# Altium PCB х__логия_v25.PcbDoc (part 3 of 3) (continued)
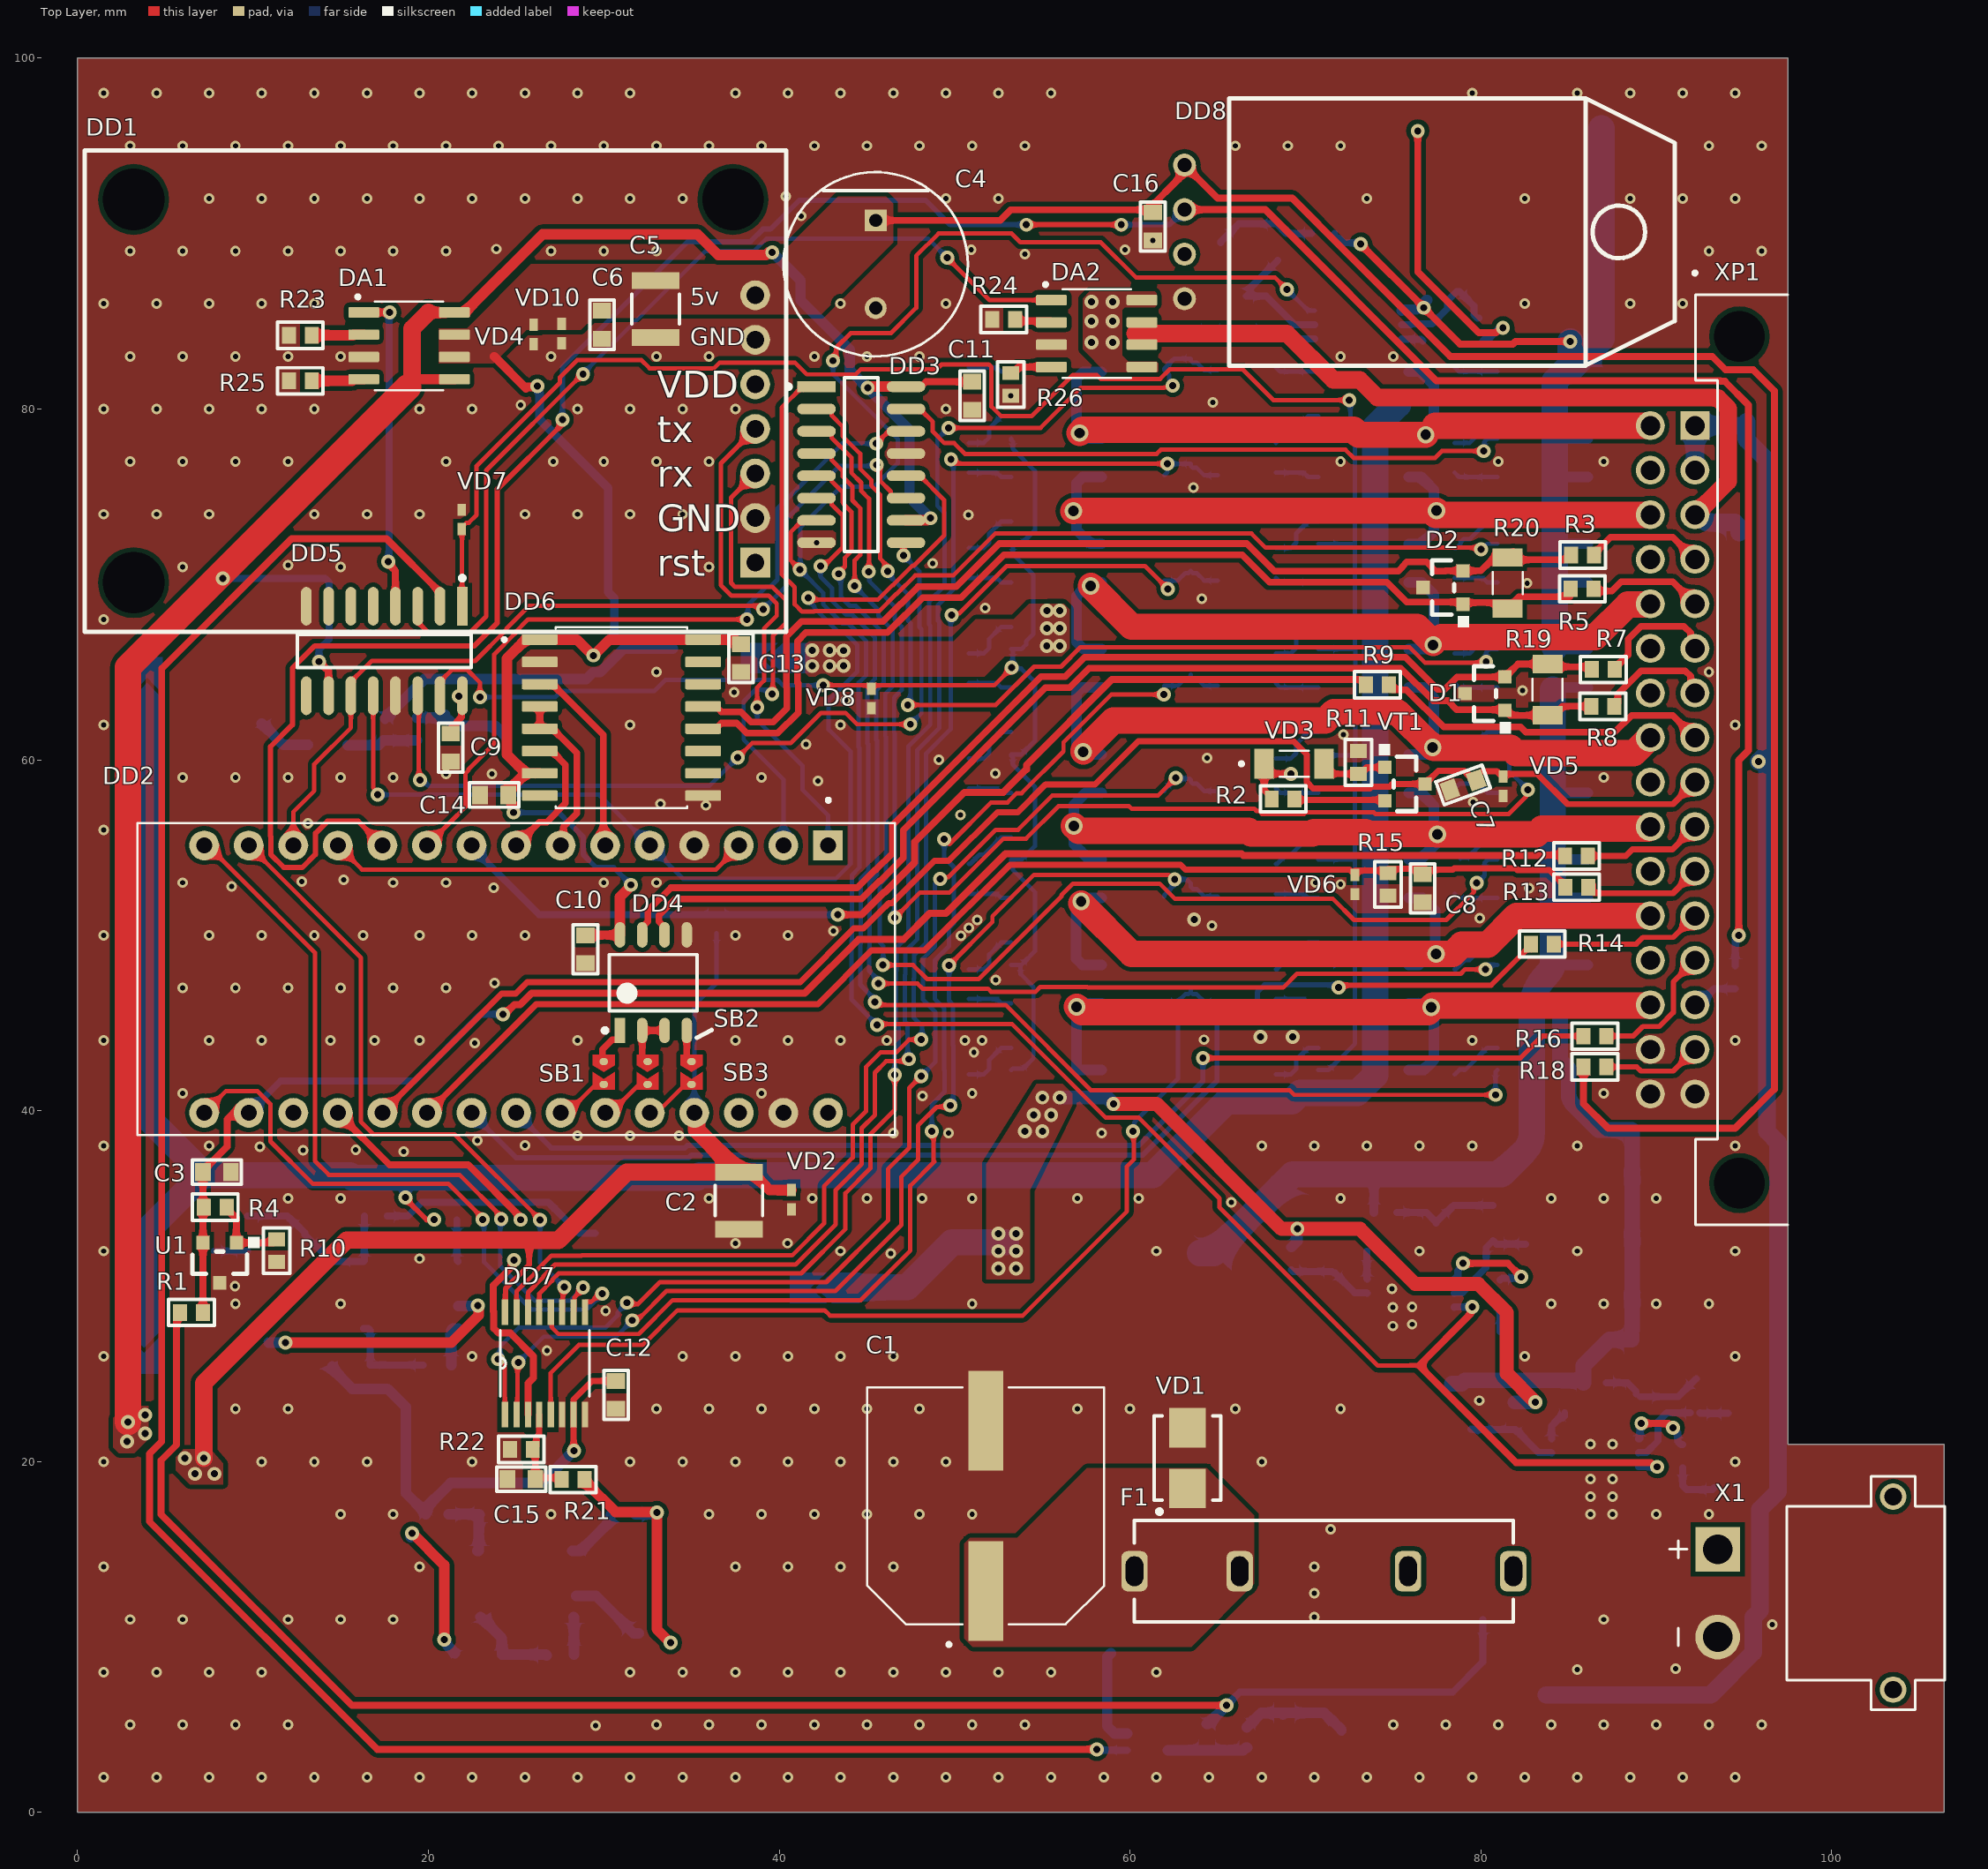
[diagram p0: Top Layer view]
## Nets (pads, with @x,y where several pads share a name; then routed paths per layer and width w, separated by ;. In a path a pad name is that pad's centre, name@x,y a point inside that pad or via, vN(x,y) a via of type N, cw(c..) or ccw(c..) an arc to the next point about the centre after c; other vN are vias at no path point) (continued)
panel_5: DA4_5.5 DA4_5.8 DA5_5.5 DA5_5.8 DA6_5.6 DA6_5.7 XP1.B9 XP1.B10 | length 45.3
  Top Layer w1.5: v3(56.803,56.228) 57.077,55.954 66.749,55.954 66.911,55.792 70.4,55.792 70.485,55.877 73.423,55.877 73.519,55.781 77.444,55.781 77.465,55.76 v3(77.525,55.76) 83.16,55.76 83.483,56.083 89.512,56.083 89.619,56.19 XP1.B10@89.66,56.19
  Bottom Layer w0.6: DA5_5.8@58.391,54.314 57.679,54.314 56.803,55.19 56.803,57.453 57.474,58.124 DA5_5.5@58.391,58.124 ; DA4_5.8@75.891,54.314 76.541,54.314 77.525,55.298 77.525,56.222 77.328,56.419 77.328,57.372 76.576,58.124 DA4_5.5@75.891,58.124
panel_6: DA4_6.5 DA4_6.8 DA5_6.5 DA5_6.8 DA6_6.6 DA6_6.7 XP1.B11 XP1.B12 | length 47
  Top Layer w1.5: v3@57.211,51.817 60.091,48.937 78.386,48.937 78.907,49.458 80.383,49.458 82.035,51.11 XP1.B12@89.66,51.11
  Bottom Layer w0.6: DA5_6.8@58.391,48.314 57.276,48.314 56.925,48.665 56.925,51.531 57.211,51.817 57.211,52.124 DA5_6.5@58.391,52.124 ; DA4_6.8@75.891,48.314 76.471,48.314 76.887,48.73 76.957,48.73 77.163,48.937 v3(77.446,48.937) 77.4,48.983 77.4,51.4 76.676,52.124 DA4_6.5@75.891,52.124
  other v3: 57.211,51.925
panel_7: DA4_7.5 DA4_7.8 DA5_7.5 DA5_7.8 DA6_7.6 DA6_7.7 XP1.B13 XP1.B14 | length 45.1
  Top Layer w1.5: v3(56.957,45.929) 57.262,45.625 76.999,45.625 v3@77.17,45.796 ; v3(77.17,45.9) 77.27,46 89.524,46 89.525,46.001 89.631,46.001 XP1.B14@89.66,46.03
  Bottom Layer w0.6: DA5_7.8@58.391,42.314 57.151,42.314 56.957,42.508 v3(56.957,45.929) 57.151,46.124 DA5_7.5@58.391,46.124 ; DA4_7.8@75.891,42.314 76.749,42.314 77.325,42.89 v3@77.325,45.548 ; DA4_7.5@75.891,46.124 v3@77.3,46.124
reset: DD2.3 DD2.12 | length 24
  Top Layer w0.25: DD2.12@14.84,55.12 16.21,53.75 36.4,53.75 37.7,55.05 DD2.3@37.7,55.12
RS485_1_N: D2.2 DD6.13 R3.1 R20.1 | length 57.8
  Top Layer w0.381: DD6.13@35.66,63.045 36.385,63.045 36.703,62.727 37.828,62.727 38.4,62.155 39.656,62.155 40.446,62.946 40.446,64.1 40.405,64.14 40.405,67.028 41.262,67.885 45.91,67.885 46.926,68.901 46.945,68.901 47.919,69.875 50.097,69.875 52.551,72.329 66.653,72.329 68.217,70.765 75.29,70.765 75.513,70.988 75.513,71.013 75.774,71.273 76.904,71.273 77.412,70.765 77.99,70.765 77.999,70.774 80.005,70.774 80.756,71.525 81.515,71.525 R20.1@81.525,71.535 ; R20.1@81.835,71.885 82.32,71.4 R3.1@85.125,71.4
RS485_1_P: D2.1 DD6.12 R5.1 R20.2 | length 57.6
  Top Layer w0.381: DD6.12@35.66,61.775 36.385,61.775 36.703,62.092 37.565,62.092 38.137,61.52 39.919,61.52 41.081,62.683 41.081,64.363 41.04,64.404 41.04,66.765 41.525,67.25 46.173,67.25 47.189,68.266 47.208,68.266 48.182,69.24 50.36,69.24 52.814,71.694 66.39,71.694 67.954,70.13 74.645,70.13 75.779,68.996 77.265,68.996 78.859,68.996 D2.1@78.986,68.869 ; D2.1@79.155,68.965 81.835,68.965 82.17,69.3 R5.1@85.075,69.3
RS485_1r_N: R3.2 XP1.A4 | length 6.7
  Top Layer w0.381: R3.2@86.45,71.675 86.45,71.75 87.4,72.699 90.93,72.699 XP1.A4@92.2,71.43
RS485_1r_P: R5.2 XP1.A5 | length 6.5
  Top Layer w0.381: R5.2@86.425,69.625 87.456,69.625 87.991,70.16 90.929,70.16 XP1.A5@92.2,68.89
RS485_2_N: D1.2 DD4.7 R7.1 R19.2 | length 63.7
  Top Layer w0.381: DD4.7@32.19,50.025 32.19,50.465 32.507,50.783 32.507,51.406 33.812,52.71 44.429,52.71 45.456,53.737 45.503,53.737 46.437,54.672 46.437,56.262 54.919,64.744 56.299,64.744 57.41,65.854 75.693,65.854 77.538,64.01 77.931,64.01 78.651,64.73 D1.2@81.375,64.73 82.105,65.46 R19.2@83.8,65.46 83.955,65.305 86.17,65.305 R7.1@86.325,65.15
RS485_2_P: D1.1 DD4.6 R8.1 R19.1 | length 62.5
  Top Layer w0.381: DD4.6@33.46,50.025 33.46,50.465 33.142,50.783 33.142,51.143 34.075,52.075 44.692,52.075 45.719,53.102 45.766,53.102 47.072,54.409 47.072,55.999 55.182,64.109 56.562,64.109 57.673,65.219 75.43,65.219 77.275,63.375 78.101,63.375 78.616,62.86 81.34,62.86 81.66,62.54 R19.1@83.8,62.54 84.135,62.54 84.645,63.05 R8.1@86.3,63.05
RS485_2r_N: R7.2 XP1.A6 | length 7.1
  Top Layer w0.381: R7.2@87.625,65.15 87.625,65.225 88.39,65.99 88.39,66.876 89.134,67.619 91.571,67.619 91.957,67.233 91.957,66.593 XP1.A6@92.2,66.35
RS485_2r_P: R8.2 XP1.A7 | length 6.7
  Top Layer w0.381: R8.2@87.6,63.05 87.809,63.26 87.809,63.755 89.134,65.079 91.651,65.079 91.957,64.773 91.957,64.053 XP1.A7@92.2,63.81
voltage_1: DD7.13 R37_1.1 R40_1.2 VD13_1.2 | length 87.3
  Top Layer w0.25: DD7.13@26.32,28.521 26.32,29.569 27.058,30.307 27.058,30.36 27.427,30.729 41.254,30.729 43.775,33.25 43.775,35.3 45.2,36.725 45.2,38.668 46.59,40.058 v2(46.59,42.038) ; v2(49.65,78.925) 54.9,78.925 57.187,81.212 61.925,81.212 61.939,81.226 62.328,81.226 v2(62.433,81.332)
  Bottom Layer w0.25: v2(46.59,42.038) 46.59,43.463 46.813,43.686 46.813,44.731 46.649,44.895 46.649,47.941 46.688,47.98 46.688,49.301 47.369,49.982 47.369,60.77 48.61,62.011 48.61,67.66 48.546,67.725 48.546,69.035 49.438,69.927 49.438,74.06 49.012,74.486 49.012,78.287 v2(49.65,78.925) ; v2(62.433,81.332) 62.433,81.48 62.226,81.688 62.226,81.944 R37_1.1@61.951,82.219 61.951,82.294 62.526,82.869 VD13_1.2@63.451,82.869 63.451,82.769 63.576,82.644 63.801,82.644 64.226,82.219 R40_1.2@65.001,82.219
voltage_2: DD7.14 R37_2.1 R40_2.2 VD13_2.2 | length 83.7
  Top Layer w0.25: DD7.14@25.685,28.521 25.685,29.647 26.554,30.516 26.554,30.568 27.219,31.233 40.933,31.233 43.225,33.525 43.225,35.483 44.696,36.954 44.696,39 45.45,39.754 45.45,42.175 46.092,42.817 47.265,42.817 v2(47.388,42.94) ; v2(49.791,77.13) 50.043,76.879 v2(62.128,76.879)
  Bottom Layer w0.25: v2(47.388,42.94) 47.317,43.011 47.317,44.94 47.153,45.104 47.153,47.732 47.192,47.771 47.192,49.093 47.873,49.774 47.873,60.561 49.114,61.802 49.114,67.869 49.05,67.934 49.05,68.826 49.942,69.719 49.942,76.979 v2(49.791,77.13) ; R37_2.1@61.951,76.219 62.128,76.396 v2(62.128,76.879) ; v2@62.526,76.869 VD13_2.2@63.451,76.869 63.451,76.769 63.576,76.644 63.801,76.644 64.226,76.219 R40_2.2@65.001,76.219
voltage_3: DD7.15 R37_3.1 R40_3.2 VD13_3.2 | length 76.9
  Top Layer w0.25: DD7.15@25.024,28.521 25.024,29.699 26.05,30.725 26.05,30.777 27.01,31.737 28.737,31.737 28.75,31.75 40.737,31.75 42.556,33.569 42.556,35.689 44.192,37.325 44.192,39.209 44.942,39.958 44.942,42.492 45.771,43.321 46.667,43.321 47.398,44.052 v2(48.096,44.052) ; v2(49.829,68.256) 49.934,68.362 50.287,68.362 52.974,71.049 60.846,71.049 v2(62.151,69.744)
  Bottom Layer w0.25: v2(48.096,44.052) 48.152,44.108 48.152,44.817 47.657,45.312 47.657,47.523 47.696,47.562 47.696,48.884 48.377,49.565 48.377,60.352 49.771,61.746 49.771,68.162 49.829,68.22 v2(49.829,68.256) ; R37_3.1@61.951,70.219 62.726,70.219 63.151,70.644 63.326,70.644 63.451,70.769 63.576,70.644 63.801,70.644 64.226,70.219 R40_3.2@65.001,70.219
voltage_4: DD7.12 R37_4.1 R40_4.2 VD13_4.2 | length 69.3
  Top Layer w0.25: DD7.12@26.98,28.521 27.033,28.468 27.033,27.653 27.415,27.271 31.996,27.271 33.925,29.2 44.65,29.2 47.475,32.025 47.475,35.725 48.85,37.1 48.805,37.145 48.805,38.732 v2(48.7,38.837) ; v2(49.408,55.475) 49.425,55.475 49.7,55.2 52.075,57.575 53.013,57.575 53.538,58.1 53.821,58.1 56.205,60.484 56.205,61.002 58.924,63.721 v2(61.925,63.721)
  Bottom Layer w0.25: v2(48.7,38.837) 48.7,40.352 49.425,41.077 49.425,42.3 49.412,42.313 49.412,45.826 48.875,46.363 48.875,48.575 49.679,49.379 49.679,50.404 49.954,50.679 49.954,53.891 49.408,54.437 v2(49.408,55.475) ; v2(61.925,63.721) 61.951,63.747 R37_4.1@61.951,64.219 62.726,64.219 63.151,64.644 63.326,64.644 VD13_4.2@63.451,64.769 ; VD13_4.2@63.451,64.869 VD13_4.2@63.451,64.769 ; R40_4.2@65.001,64.219 64.226,64.219 63.801,64.644 63.576,64.644 VD13_4.2@63.451,64.769
voltage_5: DD7.1 R37_5.1 R40_5.2 VD13_5.2 | length 70.4
  Top Layer w0.25: v2(23.984,25.837) 24.132,25.837 24.337,25.633 24.36,25.633 24.36,22.683 DD7.1@24.364,22.679 ; v2(31.317,29.058) 31.4,28.975 31.95,28.975 33.2,30.225 42.685,30.225 46.2,33.74 46.2,36.675 47.417,37.892 47.417,41.292 v2(48.1,41.975) ; v2(49.175,53.221) 49.279,53.325 49.65,53.325 52.341,56.016 53.616,56.016 55.575,57.975 61.607,57.975 v2(62.601,58.969)
  Bottom Layer w0.25: v2(23.984,25.837) 24.089,25.943 24.089,26.564 25.15,27.625 30.085,27.625 30.78,28.32 30.78,28.499 31.317,29.035 v2(31.317,29.058) ; v2(48.1,41.975) 48.908,42.783 48.908,44.375 48.9,44.383 48.9,45.625 48.2,46.325 48.2,48.675 48.881,49.356 48.881,52.927 v2(49.175,53.221) ; R37_5.1@61.951,58.219 61.951,58.294 62.601,58.944 v2(62.601,58.969) 62.651,58.919 63.401,58.919 VD13_5.2@63.451,58.869 63.451,58.769 63.576,58.644 63.801,58.644 64.226,58.219 R40_5.2@65.001,58.219
voltage_6: DD7.2 R37_6.1 R40_6.2 VD13_6.2 | length 64
  Top Layer w0.25: DD7.2@25.024,22.679 25.077,22.732 25.077,25.591 v2(25.139,25.653) ; v2(31.625,28.05) 31.73,28.155 32.005,28.155 33.571,29.721 43.199,29.721 46.971,33.493 46.971,36.249 47.921,37.199 47.921,39.16 48.975,40.214 49.664,40.214 v2(49.75,40.3) ; v2(49.682,48.28) 52.156,50.754 52.156,51.081 54.525,53.45 62.215,53.45 62.473,53.193 v2(62.543,53.193)
  Bottom Layer w0.25: v2(25.139,25.653) 25.139,25.675 26.585,27.121 30.696,27.121 v2(31.625,28.05) ; v2(49.682,48.28) 49.682,46.269 49.916,46.035 49.916,43.721 49.929,43.708 49.929,40.628 49.75,40.449 v2(49.75,40.3) ; R37_6.1@61.951,52.219 61.951,52.294 62.543,52.886 v2(62.543,53.193) 63.227,53.193 63.451,52.969 VD13_6.2@63.451,52.869 ; VD13_6.2@63.451,52.769 63.576,52.644 63.801,52.644 64.226,52.219 R40_6.2@65.001,52.219
voltage_7: DD7.5 R37_7.1 R40_7.2 VD13_7.2 | length 56.1
  Top Layer w0.25: DD7.5@26.98,22.679 26.98,25.055 28.575,26.65 32.225,26.65 34.2,28.625 42.589,28.625 42.893,28.321 53.884,28.321 59.825,34.262 59.825,36.825 60.205,37.205 60.205,38.798 v2(60.167,38.837)
  Bottom Layer w0.25: v2(60.167,38.837) 60.244,38.915 60.244,39.34 62.726,41.822 62.726,46.219 ; R37_7.1@61.951,46.219 62.726,46.219 ; VD13_7.2@63.451,46.869 VD13_7.2@63.451,46.769 ; R40_7.2@65.001,46.219 64.226,46.219 63.801,46.644 63.576,46.644 VD13_7.2@63.451,46.769 ; 62.726,46.219 63.151,46.644 63.326,46.644 VD13_7.2@63.451,46.769
pads on no net: DD1.1 DD1.5 DD1.8 DD2.18 DD2.28 DD2.30 DD5.5 DD5.6 DD5.7 DD5.9 DD6.8 DD6.10 DD6.11 DD6.14 DD6.15 DD8.NC DD9.6 DD10.6 X1.S1 X1.S2 XP1.

## Polygon pours and split planes (outlines as drawn)
GND on Bottom Layer "Bottom Layer-No Net" (solid, pour order 64): 0,0 106.4,0 106.4,20.975 97.5,20.975 97.5,100 0,100
NetC35_2 on Bottom Layer "NETC35_2_L04_P049" (solid, pour order 49): 42.622,29.11 42.622,28.916 42.85,28.672 42.85,27.2 34.375,27.2 30.175,31.4 27.05,31.4 26.975,31.475 26.975,34.6 27.05,34.675 27.075,34.65 33.1,34.65 36.986,30.764 42.651,30.764 41.787,29.9
NetC33_2 on Bottom Layer "NETC33_2_L04_P048" (solid, pour order 48): 11.869,25.019 12,25.15 12,26.4 11.298,27.102 5.15,27.102 4.893,27.022 4.589,27.022 3.8,26.187 3.8,25.019
NetDA3_1_7 on Bottom Layer "NETDA3_1_7_L04_P046" (solid, pour order 46): 74.325,91.7 77.175,91.7 81.2,95.725 81.2,97.425 81.3,97.525 84.725,97.525 84.925,97.325 84.925,95.55 78.675,89.3 76.812,89.3 76.218,88.766 76.025,86.975 75.025,87.025 74.275,89.3
+12_akkum on Bottom Layer "+12_AKKUM_L04_P040" (solid, pour order 40): 55.362,38.473 56.425,40.634 56.725,41.4 56.725,82.508 59.539,83.131 59.539,86.6 58.917,86.8 58.917,94.719 59.894,95.543 72.375,95.625 72.45,95.7 72.45,96.55 71.45,97.55 58.317,97.55 56.922,96.803 54.317,83.632 54.079,40.121 53.491,38.915 53.767,38.473
+24_2 on Bottom Layer "+24_2_L04_P038" (solid, pour order 38): 67.95,34.625 68.025,34.55 68.025,30.125 68.375,29.775 72.025,29.775 72.625,29.175 73.975,29.175 73.975,28.625 66.725,28.625 63.625,31.725 66.575,34.675 66.875,34.675
NetF1_1 on Bottom Layer "NETF1_1_L04_P036" (solid, pour order 36): 83.225,16.25 82.075,15.1 75.5,15.1 75.05,14.65 75.05,12.85 75.8,12.1 92.6,12.1 94.2,13.7 94.2,16 93.845,16.355
+24_3 on Bottom Layer "+24_3_L04_P035" (solid, pour order 35): 76.79,24.962 78.934,24.987 78.862,21.738 79.5,21.1 82.05,21.1 83.15,20 84.45,20 84.45,19.525 84.325,19.4 81.725,19.4 81.2,19.925 75.15,19.925 73.125,21.95 73.125,23.95 75.688,23.897
NetC41_1 on Bottom Layer "NETC41_1_L04_P033" (solid, pour order 33): 13.1,6.6 12.975,6.475 12.975,3.125 13.35,2.75 27.625,2.75 27.925,3.05 27.925,7.43 28.223,8.085 28.682,8.19 28.786,8.64 28.65,8.575 27.875,8.525 26.643,8 14.25,8 13.1,6.85
NetC29_2 on Bottom Layer "NETC29_2_L04_P021" (solid, pour order 21): 4.7,63.8 5.825,64.5 9.475,64.5 11.125,63.225 11.946,61.679 12.256,61.538 13.007,61.51 12.998,61.978 12.3,62.175 12.1,63 12.15,64 13.9,67.375 13.925,67.55 13.925,67.6 13.925,69.675 13.775,69.825 7.675,69.825 3.604,65.754
NetDA5_7_6 on Bottom Layer "NETDA5_7_6_L04_P020" (solid, pour order 20): 57.5,45.1 57.6,45.2 59.3,45.2 59.9,45.8 61,45.8 62,44.8 62,41.8 61.8,41.6 60,41.6 60,42.2 58.9,43.3 57.5,43.3
NetDA5_6_6 on Bottom Layer "NETDA5_6_6_L04_P019" (solid, pour order 19): 57.5,51.1 57.6,51.2 59.3,51.2 59.9,51.8 61,51.8 62,50.8 62,47.8 61.8,47.6 60,47.6 60,48.2 58.9,49.3 57.5,49.3
NetDA5_5_6 on Bottom Layer "NETDA5_5_6_L04_P018" (solid, pour order 18): 57.5,57.1 57.6,57.2 59.3,57.2 59.9,57.8 61,57.8 62,56.8 62,53.8 61.8,53.6 60,53.6 60,54.2 58.9,55.3 57.5,55.3
NetDA5_4_6 on Bottom Layer "NETDA5_4_6_L04_P017" (solid, pour order 17): 57.5,63.1 57.6,63.2 59.3,63.2 59.9,63.8 61,63.8 62,62.8 62,59.8 61.8,59.6 60,59.6 60,60.2 58.9,61.3 57.5,61.3
NetDA5_3_6 on Bottom Layer "NETDA5_3_6_L04_P016" (solid, pour order 16): 57.5,69.1 57.6,69.2 59.3,69.2 59.9,69.8 61,69.8 62,68.8 62,65.8 61.8,65.6 60,65.6 60,66.2 58.9,67.3 57.5,67.3
NetDA5_2_6 on Bottom Layer "NETDA5_2_6_L04_P015" (solid, pour order 15): 57.5,75.1 57.6,75.2 59.3,75.2 59.9,75.8 61,75.8 62,74.8 62,71.8 61.8,71.6 60,71.6 60,72.2 58.9,73.3 57.5,73.3
NetDA5_1_6 on Bottom Layer "NETDA5_1_6_L04_P014" (solid, pour order 14): 57.5,81.1 57.6,81.2 59.3,81.2 59.9,81.8 61,81.8 62,80.8 62,77.8 61.8,77.6 60,77.6 60,78.2 58.9,79.3 57.5,79.3
panel_1 on Bottom Layer "PANEL_1_L04_P000" (solid, pour order 0): 88.6,81.2 85.2,81.2 85.2,79.3 86.9,79.3 88.8,77.4 88.8,76.2 89.4,75.6 89.8,75.6 90.5,76.3 90.5,79.3
+14 on Bottom Layer "+14_L04_P010" (solid, pour order 10): 76.795,63.069 76.695,63.169 74.095,63.169 74.095,61.269 74.195,61.269 76.695,61.269 76.795,61.369
+12_akkum on Bottom Layer "+12_AKKUM_L04_P051" (solid, pour order 51): 40.211,66.664 40.298,66.75 44.05,66.75 44.35,66.45 44.35,65.075 44.025,64.75 40.416,64.75
NetC32_1 on Bottom Layer "NETC32_1_L04_P050" (solid, pour order 50): 32.075,25.425 31.875,25.625 26.95,25.625 26.4,25.075 20.875,25.125 20.8,24.5 19.5,23.5 19.5,21.75 19.575,21.675 31.275,21.675 32.075,22.475
NetC28_2 on Bottom Layer "NETC28_2_L04_P023" (solid, pour order 23): 23.575,65.625 23.6,65.65 23.6,71.025 25.3,71.025 25.925,71.65 26,71.575 28.075,71.575 30.125,69.525 30.125,67.575 28.075,65.525 23.75,65.525 23.575,65.7
NetC30_2 on Bottom Layer "NETC30_2_L04_P024" (solid, pour order 24): 30.831,69.894 31.005,69.72 31.005,66.55 35.75,64.975 37.825,64.875 39.375,66.675 36.85,68.275 33.05,71.7 32.35,71.7 30.8,71.7
+24_1 on Bottom Layer "+24_1_L04_P047" (solid, pour order 47): 81.175,90.55 81.3,90.675 82.325,90.675 86.45,94.8 86.75,94.8 87.075,94.475 87.075,84.85 84.275,81.95 84.275,85.025 81.175,88.125
+12_akkum on Bottom Layer "+12_AKKUM_L04_P043" (solid, pour order 43): 72.1,97.25 72.475,97.625 77.6,97.625 77.8,97.425 77.8,95.175 77.725,95.1 72.9,95.1 72.375,95.625 70.775,95.625 70.775,97.15 71.85,97.15
NetDA3_2_7 on Bottom Layer "NETDA3_2_7_L04_P039" (solid, pour order 39): 71.775,26.1 73.05,27.375 73.95,27.375 73.95,26.2 72.475,24.725 66.425,24.725 65.725,24.025 65,24.75 65,26.1
NetDA3_2_7 on Bottom Layer "NETDA3_2_7_L04_P037" (solid, pour order 37): 59.2,32.125 60.475,30.85 60.475,30.075 61.375,29.175 62.475,29.175 65.55,26.1 65.775,26.1 65.85,26.025 65.85,24.15 65.725,24.025 62.25,24.025 60.125,26.15 60.125,26.475 59.425,27.175 58.4,27.175 55.725,29.85 55.725,32.075 55.775,32.125
NetDA3_3_7 on Bottom Layer "NETDA3_3_7_L04_P034" (solid, pour order 34): 84.425,18.275 81.175,18.275 80.625,17.725 75.725,17.725 69.8,23.65 66.75,23.65 66.65,23.55 66.65,21.35 66.925,21.075 68,21.075 68.6,20.475 73.075,16 73.075,15.2 73.2,15.075 73.3,15.075 81.425,15.075 83.45,17.1 84.425,17.1
+5 on Bottom Layer "+5_L04_P032" (solid, pour order 32): 20.325,16.5 18.425,14.6 18.425,12.85 18,12.425 10.75,12.425 2.122,21.053 2.122,22.322 3.243,23.443 4.782,23.443 12.325,15.9 17.825,15.9 19.417,17.317
+12_akkum on Bottom Layer "+12_AKKUM_L04_P030" (solid, pour order 30): 51.9,33.5 51.9,16.462 50.664,14.437 47.517,12.819 32.032,11.92 31.012,10.9 31.012,9.437 31.777,8.673 34.615,8.6 61.875,8.6 65.85,12.575 66.7,12.575 67.025,12.9 67.025,13.15 68.925,15.05 70.3,15.05 70.3,17.725 69.65,18.375 56.35,18.375 54.642,20.083 54.749,22.484 56,24.199 56,26.225 54.596,29.033 54.282,33.5
NetC37_1 on Bottom Layer "NETC37_1_L04_P029" (solid, pour order 29): 69.4,13.475 69.4,8.125 69.225,7.95 65.811,7.95 63.743,7.093 62.965,6.315 62.7,5.675 61.65,5.675 61.625,5.65 61.625,6.45 64.975,9.8 64.975,11.2 65.775,12 66.65,12 67.975,13.325 67.975,13.5
NetC37_2 on Bottom Layer "NETC37_2_L04_P028" (solid, pour order 28): 78.2,10.525 76.925,11.8 74.925,11.8 73.182,13.543 71.625,13.244 71.625,8 73.9,8 75.775,8 78.2,8
+12_stable on Bottom Layer "+12_STABLE_L04_P025" (solid, pour order 25): 83.875,7.05 83.875,7.3 81.775,9.4 81.775,11.2 81.15,11.825 81.125,11.8 79.075,11.8 78.95,11.675 78.95,8.525 78.298,6.88 80.828,6.15 83.825,6.15
NetC28_1 on Bottom Layer "NETC28_1_L04_P022" (solid, pour order 22): 17.925,69.8 19.125,71 21.375,71 21.45,70.925 21.45,65.6 21.35,65.5 18.55,65.5 16.05,62.575 15.025,63 17.625,67.6
+14 on Bottom Layer "+14_L04_P013" (solid, pour order 13): 76.792,81.067 76.692,81.167 74.092,81.167 74.092,79.267 74.192,79.267 76.692,79.267 76.792,79.367
+14 on Bottom Layer "+14_L04_P012" (solid, pour order 12): 76.787,75.067 76.687,75.167 74.087,75.167 74.087,73.267 74.187,73.267 76.687,73.267 76.787,73.367
+14 on Bottom Layer "+14_L04_P011" (solid, pour order 11): 76.788,69.066 76.688,69.166 74.088,69.166 74.088,67.266 74.188,67.266 76.688,67.266 76.788,67.366
+14 on Bottom Layer "+14_L04_P009" (solid, pour order 9): 76.795,57.066 76.695,57.166 74.095,57.166 74.095,55.266 74.195,55.266 76.695,55.266 76.795,55.366
+14 on Bottom Layer "+14_L04_P008" (solid, pour order 8): 76.79,51.064 76.69,51.164 74.09,51.164 74.09,49.264 74.19,49.264 76.69,49.264 76.79,49.364
panel_2 on Bottom Layer "PANEL_2_L04_P001" (solid, pour order 1): 90.5,71.3 90.5,74.3 90,74.8 88.6,74.8 88.1,75.3 85.3,75.3 85.2,75.2 85.2,73.3 85.3,73.2 86.9,73.2 88.4,71.7 88.4,71.6 89.4,70.6 90,70.6 90.4,71
+14 on Bottom Layer "+14_L04_P007" (solid, pour order 7): 76.8,45.1 76.7,45.2 74.1,45.2 74.1,43.3 74.2,43.3 76.7,43.3 76.8,43.4
panel_7 on Bottom Layer "PANEL_7_L04_P006" (solid, pour order 6): 89.3,49.4 88.8,48.9 88.8,47.2 86.834,45.234 85.407,45.234 85.2,45.027 85.2,43.473 85.407,43.266 87.566,43.266 89.5,45.2 90,45.2 90.5,45.7 90.5,48.9 90,49.4
panel_6 on Bottom Layer "PANEL_6_L04_P005" (solid, pour order 5): 89.3,54.5 88.8,54 88.8,53 87,51.2 85.3,51.2 85.2,51.1 85.2,49.4 85.3,49.3 88.3,49.3 89.3,50.3 90,50.3 90.5,50.8 90.5,54 90,54.5
panel_5 on Bottom Layer "PANEL_5_L04_P004" (solid, pour order 4): 89.3,59.6 86.9,57.2 85.3,57.2 85.2,57.1 85.2,55.4 85.3,55.3 89.9,55.3 90.5,55.9 90.5,59 89.9,59.6
panel_4 on Bottom Layer "PANEL_4_L04_P003" (solid, pour order 3): 89.3,64.6 87.9,63.2 85.4,63.2 85.2,63 85.2,61.4 85.3,61.3 88.4,61.3 89.3,60.4 89.9,60.4 90.5,61 90.5,64.1 90,64.6
panel_3 on Bottom Layer "PANEL_3_L04_P002" (solid, pour order 2): 90,69.7 88.4,69.7 87.9,69.2 85.4,69.2 85.2,69 85.2,67.4 85.4,67.2 87.5,67.2 89.2,65.5 90.1,65.5 90.5,65.9 90.5,69.2
GND on Top Layer "Top Layer-No Net" (solid, pour order 63): 0,0 106.4,0 106.4,20.975 97.5,20.975 97.5,100 0,100
+12_akkum on Top Layer "+12_AKKUM_L01_P041" (solid, pour order 41): 54.3,30.4 51.8,30.4 51.8,36.955 54.673,41.525 56.375,41.525 56.7,41.2 56.7,40.329 54.3,35.46
+5_sw on Top Layer "+5_SW_L01_P056" (solid, pour order 56): 20.6,82.6 23.7,82.6 25.6,84.5 28.7,84.5 29.4,85.2 31.9,85.2 32.1,85.4 42.4,85.4 46.5,89.5 46.5,91.7 46.1,92.1 43.35,92.1 39.5,88.25 25.85,88.25 22.2,84.6 20.6,84.6
+5 on Top Layer "+5_L01_P054" (solid, pour order 54): 7.6,20.7 5.6,20.7 5.6,19.5 6.4,18.7 8.3,18.7 8.3,19.9
+12_akkum on Top Layer "+12_AKKUM_L01_P052" (solid, pour order 52): 41.45,66.575 41.45,65 41.7,64.75 51.7,64.75 52.85,65.9 56.175,65.9 56.55,66.275 56.55,68.575 56.225,68.9 54.233,68.9 53.381,68.039 51.19,68.015 49.943,66.768 41.643,66.768
+12_akkum on Top Layer "+12_AKKUM_L01_P057" (solid, pour order 57): 61.5,85.9 61.4,85.8 59.7,85.8 59.539,85.639 59.539,83.061 59.9,82.7 61.5,82.7 61.6,82.6 61.6,82.1 61.5,82 58.7,82 57.3,83.4 57.3,86.3 57.7,86.7 61.4,86.7 61.5,86.6
+5 on Top Layer "+5_L01_P055" (solid, pour order 55): 2.043,22.484 2.043,20.806 2.365,20.484 3.243,20.484 4.043,21.284 4.043,23.184 2.843,23.184
+12_akkum on Top Layer "+12_AKKUM_L01_P044" (solid, pour order 44): 67.075,16.925 64.375,19.625 57.55,19.625 53.575,15.65 50.875,15.65 50.55,15.325 50.55,9.925 51.025,9.45 63.5,9.45 67.075,13.025
no net on Top Layer "NONET_L01_P042" (solid, pour order 42): 54.175,37.75
GND on Layer 1 "Bottom Layer-No Net1" (solid, pour order 65): 0,0 106.4,0 106.4,20.975 97.5,20.975 97.5,100 0,100
GND on Layer 2 "Layer 1-No Net" (solid, pour order 66): 0,0 106.4,0 106.4,20.975 97.5,20.975 97.5,100 0,100

## Silkscreen, mask and mechanical layers (free items; w line width, h text height)
Top Overlay:
  lines w0.254: 35.295,44.15 36.15,44.6
Bottom Overlay:
  circle w0.254: c14.45,45.125 r0.224
  circle w0.254: c42.175,45.15 r0.224
  circle w0.254: c31.975,45.15 r0.224
  lines w0.2: 22.9,48.8 23.7,48.8 ; 23.3,48.25 23.3,48.775 ; 23.3,49.3 23.3,49.825 ; 23.338,48.862 22.9,49.3 23.1,49.3 23.7,49.3 23.35,48.95
  lines w0.254: 3.875,50.3 3.875,44.175 5.9,42.15 49.025,42.15 ; 12.8,45.125 13.75,45.125 ; 12.8,46.4 13.75,46.4 ; 12.8,47.675 13.75,47.675 ; 12.8,48.95 13.75,48.95 ; 17.675,45.125 18.625,45.125 ; 17.675,46.4 18.625,46.4 ; 17.675,47.675 18.625,47.675 ; 17.675,48.95 18.625,48.95 ; 30.275,45.125 31.225,45.125 ; 30.275,46.4 31.225,46.4 ; 30.275,47.675 31.225,47.675 ; 30.275,48.95 31.225,48.95 ; 35.175,45.125 36.125,45.125 ; 35.175,46.4 36.125,46.4 ; 35.175,47.675 36.125,47.675 ; 35.175,48.95 36.125,48.95 ; 40.5,45.15 41.45,45.15 ; 40.5,46.425 41.45,46.425 ; 40.5,47.7 41.45,47.7 ; 40.5,48.975 41.45,48.975 ; 45.375,45.125 46.325,45.125 ; 45.375,46.4 46.325,46.4 ; 45.375,47.675 46.325,47.675 ; 45.375,48.95 46.325,48.95 ; 46.9,36 67,36 68,35 71,35 71.4,35.4 74.7,35.4 74.9,35.6 81.3,35.6 ; 48.1,41.35 48.9,42.15 ; 48.125,42.925 48.925,42.175 ; 49.487,46.987 49.075,46.575 49.075,41.65 49.7,41.025 87.05,41.025 87.475,41.45 ; 58.35,91.475 61.6,91.6 62.6,92.525 63.45,92.6 65.025,91.525 ; 61.953,87.47 64.328,87.122 ; 67.325,34.65 73.225,34.65 ; 79.475,87.075 81.725,86.125 ; 80.625,83.7 81.575,83.125 ; 9.961,44.219 9.961,46.819 11.461,46.819 11.461,44.219 9.961,44.219 ; 9.961,47.219 11.461,47.219 11.461,49.819 9.961,49.819 9.961,47.219 ; 13.761,44.494 17.661,44.494 17.661,49.544 13.761,49.544 13.761,44.494 ; 19.901,48.269 19.901,49.725 22.501,49.725 22.501,48.269 19.901,48.269 ; 20.401,44.154 26.701,44.154 26.701,47.884 20.401,47.884 20.401,44.154 ; 24.251,48.269 26.851,48.269 26.851,49.769 24.251,49.769 24.251,48.269 ; 27.461,44.219 28.961,44.219 28.961,46.819 27.461,46.819 27.461,44.219 ; 27.461,47.219 28.961,47.219 28.961,49.819 27.461,49.819 27.461,47.219 ; 31.261,44.494 31.261,49.544 35.161,49.544 35.161,44.494 31.261,44.494 ; 37.661,44.219 39.161,44.219 39.161,46.819 37.661,46.819 37.661,44.219 ; 37.661,47.219 39.161,47.219 39.161,49.819 37.661,49.819 37.661,47.219 ; 41.461,44.494 45.361,44.494 45.361,49.544 41.461,49.544 41.461,44.494
  text "N" at 48.1,84.1 h1
  text "1" at 47.95,81.4 h1
  text "2" at 48.15,75.5 h1
  text "3" at 48.15,69.5 h1
  text "4" at 48.15,63.5 h1
  text "5" at 48.15,57.5 h1
  text "6" at 48.15,51.5 h1
  text "R39_N" at 42.325,50.817 h1
  text "R33_N" at 29.737,50.738 h1 r340
  text "R40_N" at 26.512,50.388 h1 r340
  text "DA4_N" at 35.175,50.267 h1
  text "VD13_N" at 23.187,49.963 h1 r340
  text "R37_N" at 19.387,49.663 h1 r340
  text "R35_N" at 9.35,48.117 h1
  text "7" at 48.15,45.5 h1
  text "R34_N" at 9.425,44.917 h1
  text "DA6_N" at 46.775,42.842 h1
  text "DA5_N" at 18.625,42.817 h1
  text "R36_N" at 25.875,42.717 h1
  text "R38_N" at 40.65,42.717 h1
  text "R32_N" at 32,42.692 h1
Mechanical 1:
  lines w0.254: 0,0 97.5,0 106.4,0 106.4,20.975 97.5,20.975 97.5,100 0,100 0,0

## Text inside footprints (layer, text, board x,y; h text height)
DD1: Top Overlay "5v" at 34.916,85.913 h1; Top Overlay "GND" at 34.916,83.627 h1; Top Overlay "VDD" at 33.045,80.641 h1.52; Top Overlay "tx" at 33.045,78.101 h1.52; Top Overlay "rx" at 33.045,75.561 h1.52; Top Overlay "GND" at 33.045,73.021 h1.52; Top Overlay "rst" at 33.045,70.481 h1.52
XP1: Mechanical 13 "PCB EDGE" at 97.24,87.5 h1 r90